# Altium PCB raijel_sim_v1.PcbDoc (part 1 of 2)
Units mm, origin at the board's own origin, x right, y up, seen from the top; angles counter-clockwise.
Board outline 140.34 x 99.31 mm, 2 copper layers (Top Layer, Bottom Layer); 152 components, 86 nets, 419 pads, 382 vias.
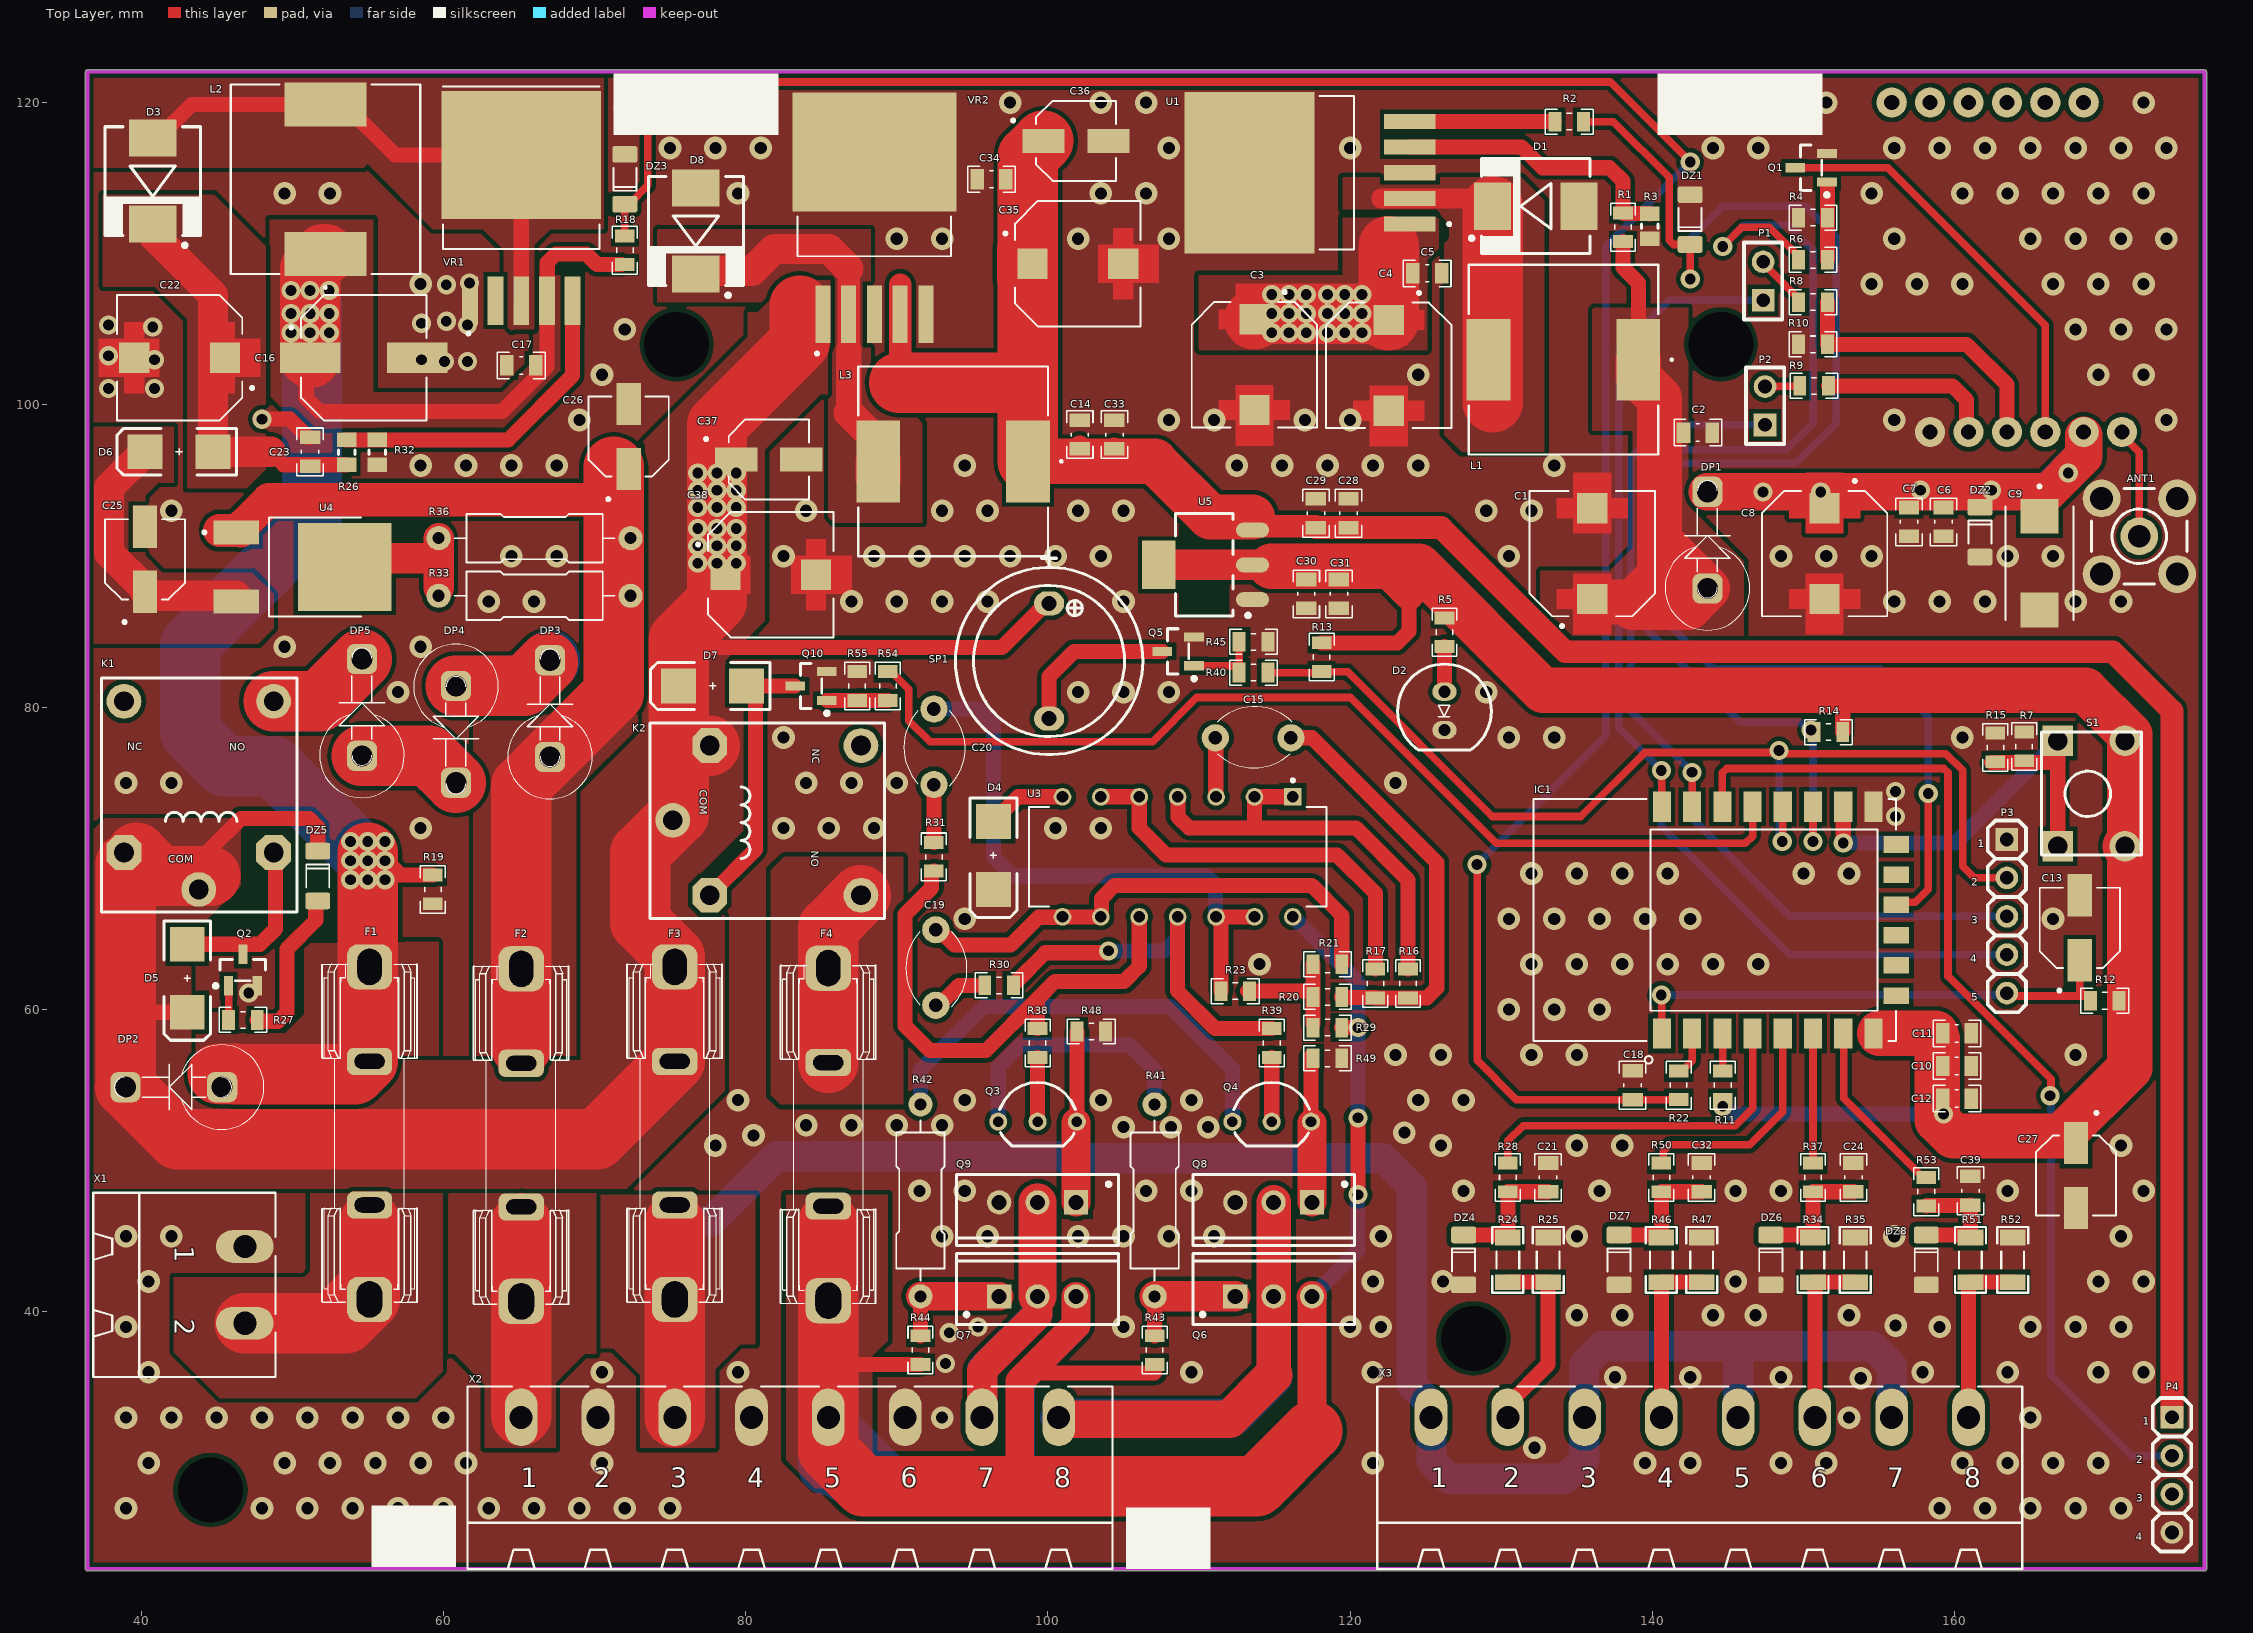
[diagram p0: Top Layer view]
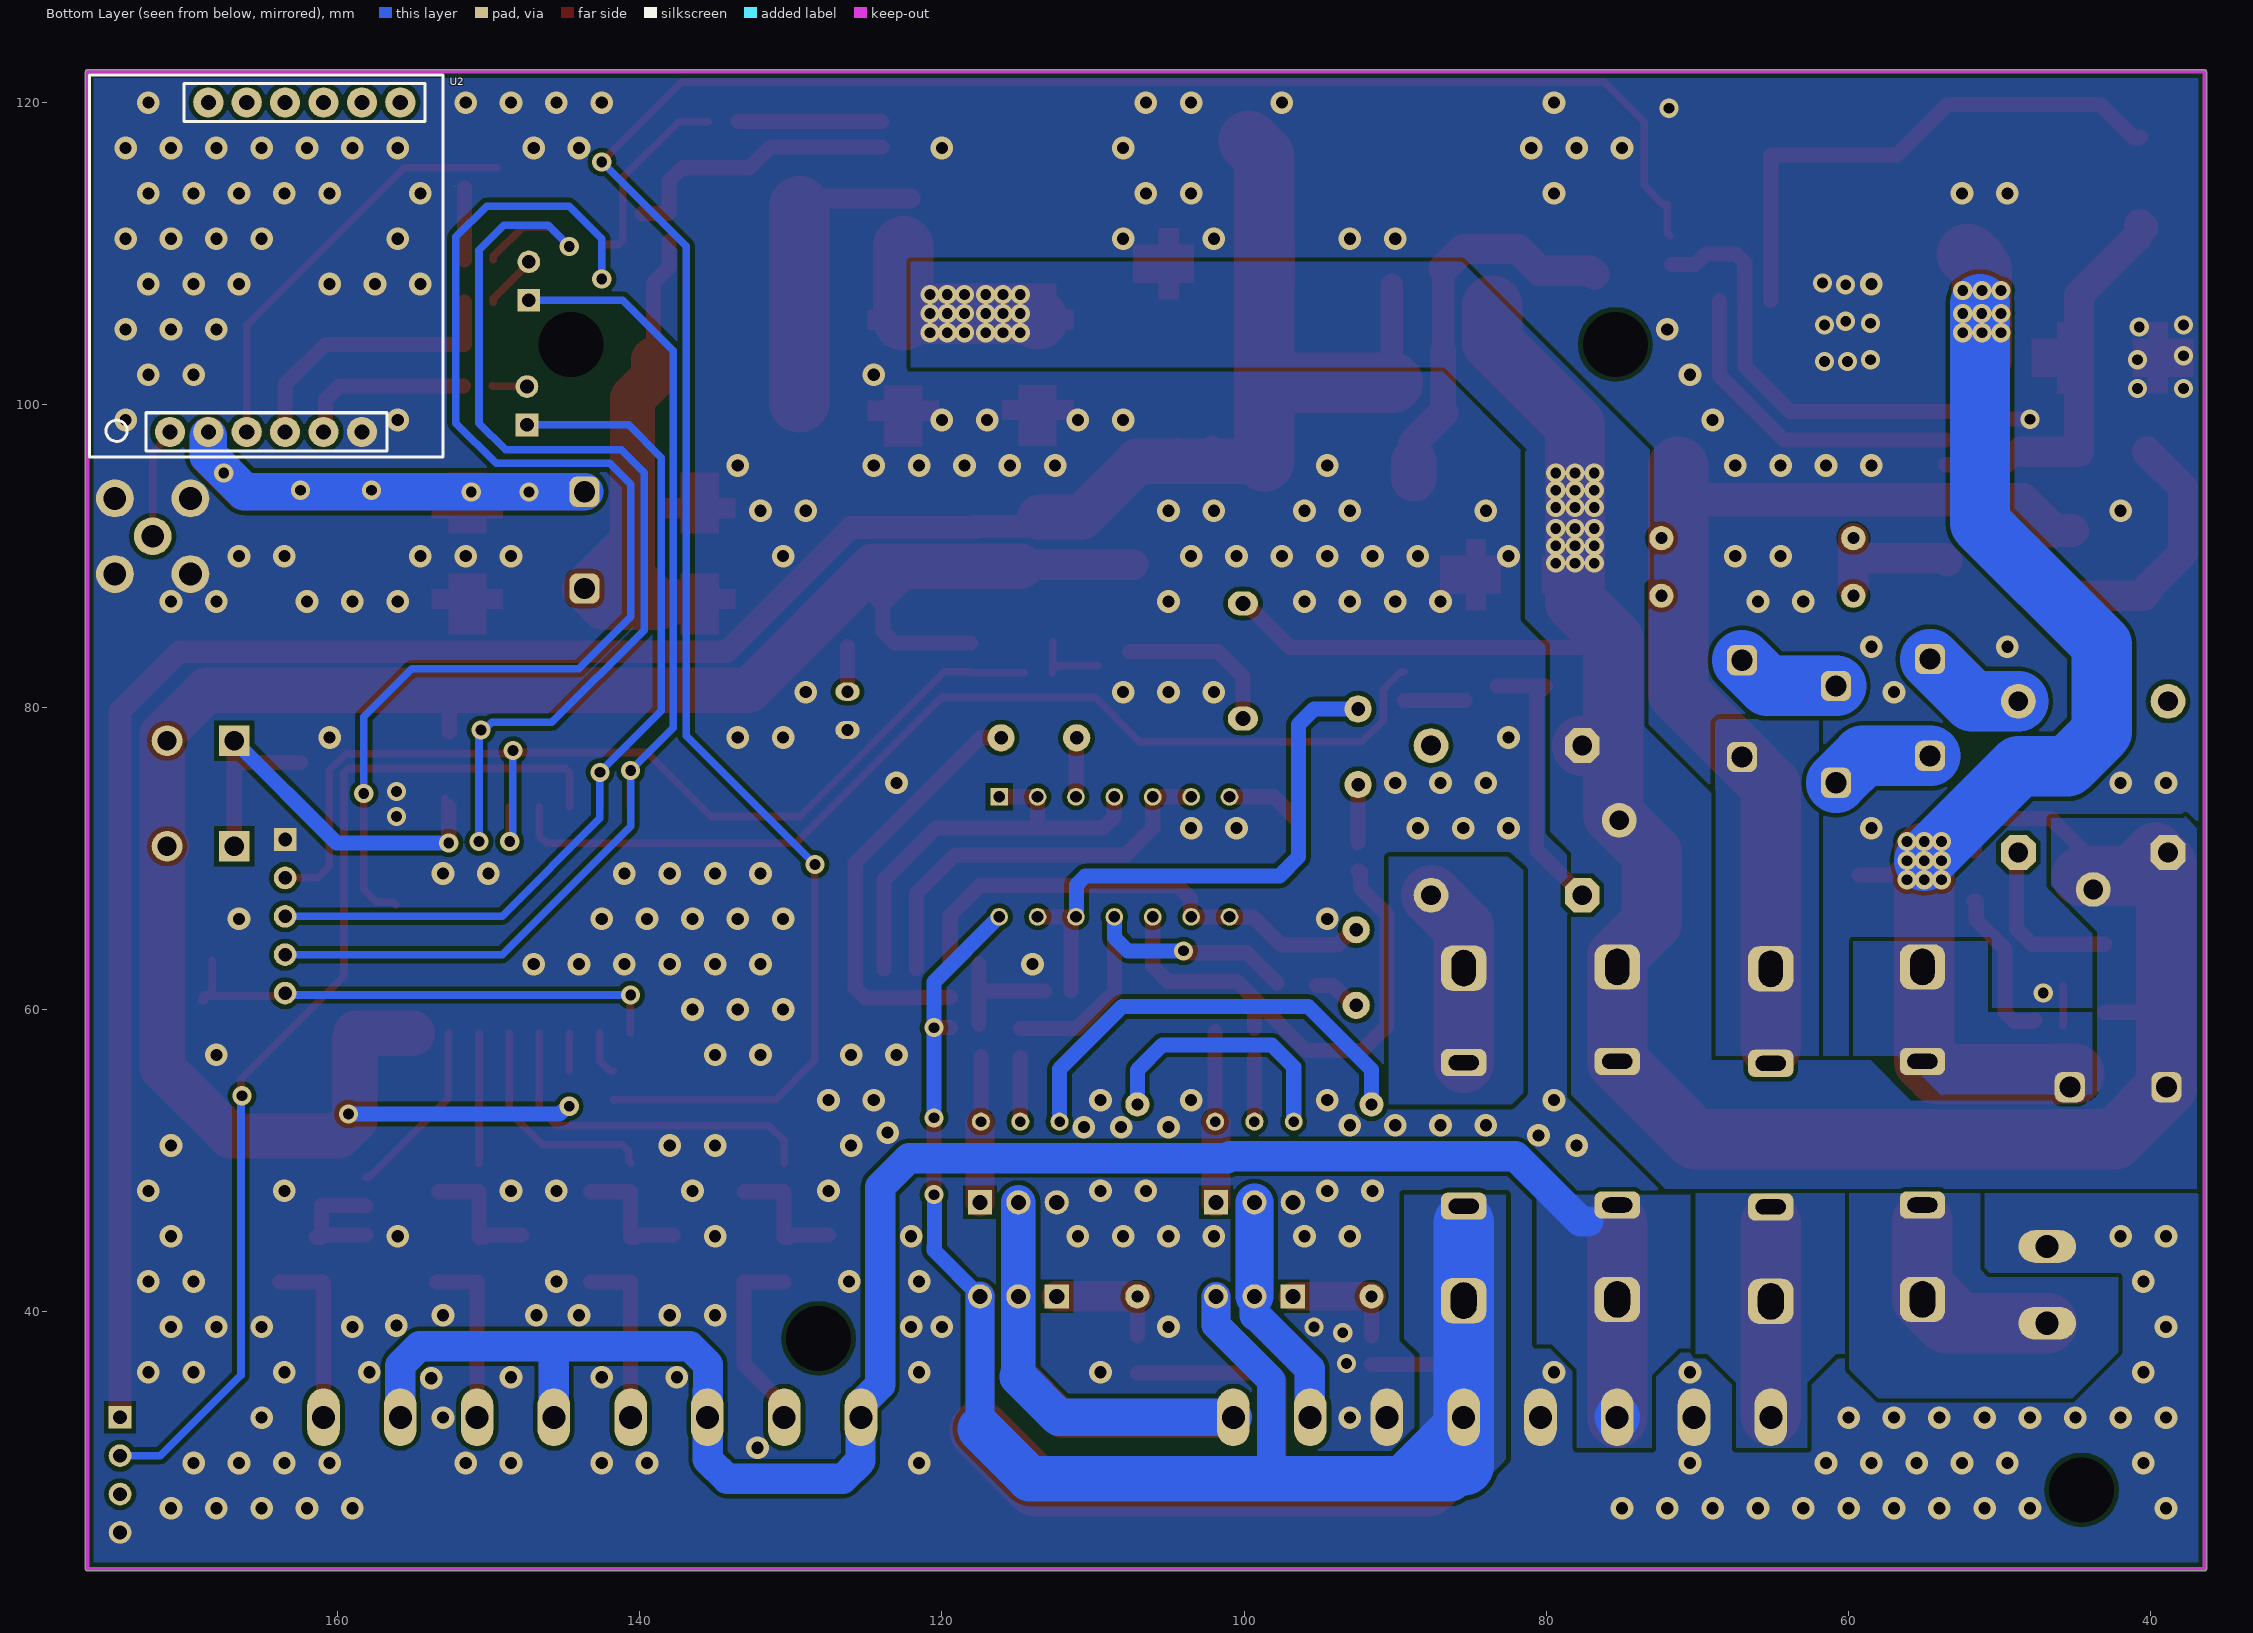
[diagram p1: Bottom Layer view, seen from below]

## Layer stack, top to bottom
Top Solder: solder mask 0.0102, Solder Resist, Dk 3.5
Top Layer: signal copper 0.0356
Dielectric 1: dielectric 0.32, FR-4, Dk 4.8
Bottom Layer: signal copper 0.0356
Bottom Solder: solder mask 0.0102, Solder Resist, Dk 3.5

## Board outline
36.322,22.987 ccw(c36.449,22.987) 36.449,22.86 176.53,22.86 ccw(c176.53,22.987) 176.657,22.987 176.657,122.047 ccw(c176.53,122.047) 176.53,122.174 36.449,122.174 ccw(c36.449,122.047) 36.322,122.047

## Design rules (kind name [scope] priority, off if disabled: settings)
Clearance [All] p1: gap=0.3 ignorepadtopadclearanceinfootprint=FALSE except(0: Arc-Hole Track-Hole SMDPad-Hole THPad-Hole Via-Hole Fill-Hole Poly-Hole Region-Hole Text-Hole; 0.254: Text-Text)
PlaneConnect [All] p1: planeconnectstyle=Direct reliefexpansion=0.508 reliefentries=4 reliefconductorwidth=0.254 reliefairgap=0.254
PolygonConnect [All] p1: connectstyle=Direct reliefconductorwidth=0.254 reliefentries=4 polygonreliefangle="90 Angle" airgapwidth=0.254
RoutingVias [All] p1: holewidth=0.711 width=1.27 viastyle="Through Hole" minholewidth=0.711 minwidth=1.27 maxholewidth=0.711 maxwidth=1.27
SolderMaskExpansion [All] p1: expansion=0.102 istentingtop=FALSE
Width [All] p1: maxlimit=10 minlimit=0.254 preferedwidth=0.5 minimp=50.000000 maximp=50.000000 favimp=50.000000
29 further rules are at their usual default settings.

## Components (designator, comment, footprint, x,y, rotation, side; value= is the part's Value field where it differs from the comment)
ANT1 "Antenna" SMA 172.212,91.313 r0 top
C1 "330uf-35v" CAP_EEEFP1V221AV 136.017,90.17 r90 top
C2 "100nF" CAP0805 143.002,98.171 r180 top
C3 "330uf-35v" CAP_EEEFP1V221AV 113.665,102.664 r270 top
C4 "100uf-35v" CAP_EEEFP1V221AV 122.555,102.616 r270 top
C5 "1uF" CAP0805 125.095,108.712 r180 top value=100nF
C6 "10pF" CAP0805 159.258,92.267 r90 top value=100nF
C7 "33pF" CAP0805 156.972,92.267 r90 top value=100nF
C8 "330uf-35v" CAP_EEEFP1V221AV 151.384,90.17 r270 top
C9 "470uF" CAPPM7343X310N 165.608,89.535 r270 top
C10 "22uF" CAP0805 160.147,56.261 r180 top value=100nF
C11 "10uF" CAP0805 160.147,58.42 r180 top value=100nF
C12 "100nF" CAP0805 160.147,54.102 r180 top
C13 "10uf-25v" CAP_EEEFN1H220UR 168.275,65.405 r90 top
C14 "100nF" CAP0805 102.108,98.044 r270 top
C15 "100nF" "CAP Ceramic 5mm" 111.078,77.978 r0 top
C16 "100uf-50v" CAP_EEEFN1H101L 54.737,103.124 r0 top
C17 "1uF" CAP0805 65.151,102.616 r0 top value=100nF
C18 "1uF" CAP0805 138.684,54.991 r270 top value=100nF
C19 "220pF" "CAP Ceramic 5mm" 92.583,65.278 r270 top
C20 "220pF" "CAP Ceramic 5mm" 92.456,79.883 r270 top
C21 "1uF" CAP0805 133.096,48.895 r270 top value=100nF
C22 "220uf-35v" CAP_EEEFP1V221AV 42.545,103.124 r180 top
C23 "100nF" CAP0805 51.181,96.901 r270 top
C24 "1uF" CAP0805 153.289,48.895 r270 top value=100nF
C25 "22uf-50v" CAP_EEEFN1H220UR 40.259,89.789 r90 top
C26 "22uf-50v" CAP_EEEFN1H220UR 72.263,97.917 r90 top
C27 "22uf-50v" CAP_EEEFN1H220UR 168.021,49.013 r270 top
C28 "4.7uF" CAP0805 119.888,92.837 r270 top value=100nF
C29 "1uF" CAP0805 117.729,92.837 r270 top value=100nF
C30 "4.7uF" CAP0805 117.094,87.503 r90 top value=100nF
C31 "1uF" CAP0805 119.253,87.503 r90 top value=100nF
C32 "1uF" CAP0805 143.256,48.895 r270 top value=100nF
C33 "4.7uF" CAP0805 104.394,98.044 r270 top value=100nF
C34 "100nF" CAP0805 96.266,114.935 r0 top
C35 "220uf-35v" CAP_EEEFP1V221AV 101.981,109.347 r0 top
C36 "22uf-50v" CAP_EEEFN1H220UR 101.854,117.475 r0 top
C37 "22uf-50v" CAP_EEEFN1H220UR 81.534,96.393 r0 top
C38 "100uf-35v" CAP_EEEFP1V221AV 81.661,88.773 r0 top
C39 "1uF" CAP0805 161.036,48.006 r270 top value=100nF
D1 "1n5822" DO-214AB(SMC) 132.278,113.157 r180 top
D2 "LED 5MM" LED5MM_GRN 126.238,79.756 r270 top
D3 "1n5822" DO-214AB(SMC) 40.767,114.808 r270 top
D4 "SM4007" "DIODE SMD" 96.393,72.445 r270 top
D5 "SM4007" "DIODE SMD" 43.053,64.317 r270 top
D6 "SM4007" "DIODE SMD" 44.759,96.901 r180 top
D7 "SM4007" "DIODE SMD" 80.065,81.407 r180 top
D8 "1n5822" DO-214AB(SMC) 76.708,111.506 r270 top
DP1 "SR560" "DO-201AD - vertical" 143.637,91.059 r90 top
DP2 "SR560" "DO-201AD - vertical" 42.164,54.864 r180 top
DP3 "6A10" "DO-201AD - vertical" 67.056,79.908 r90 top
DP4 "6A10" "DO-201AD - vertical" 60.833,78.207 r270 top
DP5 "6A10" "DO-201AD - vertical" 54.61,79.985 r90 top
DZ1 "3.3" "SOD80, LL-34" 142.494,112.268 r90 top value=12V
DZ2 "5.5" "SOD80, LL-34" 161.671,91.59 r270 top value=12V
DZ3 "3.3" "SOD80, LL-34" 72.009,114.935 r90 top value=12V
DZ4 "3.3" "SOD80, LL-34" 127.508,43.434 r270 top value=12V
DZ5 "6.5" "SOD80, LL-34" 51.689,68.834 r270 top value=12V
DZ6 "3.3" "SOD80, LL-34" 147.828,43.434 r270 top value=12V
DZ7 "3.3" "SOD80, LL-34" 137.795,43.434 r270 top value=12V
DZ8 "3.3" "SOD80, LL-34" 158.115,43.434 r270 top value=12V
F1 "F=1.0 A" "Fuse 5x20 With holder pin" 55.118,51.816 r0 top
F2 "F=1.0 A" "Fuse 5x20 With holder pin" 65.151,51.689 r0 top
F3 "F=1.0 A" "Fuse 5x20 With holder pin" 75.311,51.816 r0 top
F4 "F=1.0 A" "Fuse 5x20 With holder pin" 85.471,51.74 r0 top
IC1 "ESP8266 ESP-12-F" ESP8266-12E 211.249,-21.329 r90 top
K1 "Relay" "Relay 15.40x12.10x13.10" 43.818,67.941 r0 top
K2 "Relay" "Relay 15.40x12.10x13.10" 75.18,72.514 r270 top
L1 "100uh or 47uh" IND_CDRH127/LDNP-470MC_SUM 134.112,102.997 r180 top
L2 "47uh or 33uh" IND_CDRH127/LDNP-470MC_SUM 52.197,114.935 r90 top
L3 "33uh or 47uh" IND_CDRH127/LDNP-470MC_SUM 93.726,96.266 r180 top
P1 "FHDR_1X02" FHDR1X02-254P 147.32,106.934 r90 top
P2 "FHDR_1X02" FHDR1X02-254P 147.447,98.679 r90 top
P3 "MHDR_1X05" MHDR1X05-254P 163.449,71.247 r270 top
P4 "RX22" MHDR1X04-254P 174.371,33.02 r270 top
Q1 "BC847C" SOT23_N 150.495,115.697 r180 top
Q2 "BC847C" SOT23_N 46.736,62.611 r90 top
Q3 "BC547" "TO-92 BENT" 99.314,52.578 r0 top
Q4 "BC547" "TO-92 BENT" 114.808,52.578 r0 top
Q5 "BC847C" SOT23_N 108.619,83.693 r180 top
Q6 "TIP42C" "TO-220 AB" 114.935,41.021 r0 top
Q7 "TIP42C" "TO-220 AB" 99.314,41.021 r0 top
Q8 "TIP41C" "TO-220 AB" 114.935,47.244 r180 top
Q9 "TIP41C" "TO-220 AB" 99.314,47.244 r180 top
Q10 "BC847C" SOT23_N 84.328,81.407 r180 top
R1 "2.2k" RES0805 138.049,111.76 r90 top
R2 "1K" RES0805 134.493,118.745 r180 top
R3 "1K" RES0805_(2012X06L) 139.827,110.998 r90 top
R4 "47K" RES0805 150.622,112.395 r180 top
R5 "330" RES0805 126.238,84.963 r270 top
R6 "10K" RES0805 150.622,109.601 r180 top
R7 "1K" RES0805 164.592,77.409 r90 top
R8 "1K" RES0805 150.622,106.807 r0 top
R9 "1K" RES0805 150.691,101.266 r0 top
R10 "5.6K" RES0805 150.622,104.013 r180 top
R11 "10K" RES0805 144.653,54.991 r270 top
R12 "10K" RES0805 169.926,60.579 r0 top
R13 "10K" RES0805 118.11,83.312 r90 top
R14 "10K" RES0805 151.638,78.359 r0 top
R15 "1K" RES0805 162.687,77.343 r90 top
R16 "2.2M" RES0805 123.825,61.722 r270 top
R17 "2.2M" RES0805 121.666,61.722 r270 top
R18 "10K" RES0805 72.009,110.236 r270 top
R19 "10K" RES0805 59.309,67.945 r270 top
R20 "2.2M" RES0805 118.491,60.833 r180 top
R21 "1M" RES0805 118.491,62.992 r0 top
R22 "1K" RES0805 141.732,54.991 r270 top
R23 "1M" RES0805 112.395,61.214 r180 top
R24 "4.7K" RES1206 130.429,43.434 r270 top
R25 "2.2K" RES1206 133.096,43.434 r90 top
R26 "12K" RES0805_(2012X06L) 53.597,97.693 r270 top
R27 "10K" RES0805 46.736,59.309 r0 top
R28 "4.7K" RES0805 130.429,48.895 r270 top
R29 "2.7M" RES0805 118.491,58.801 r180 top
R30 "10K" RES0805 96.774,61.595 r0 top
R31 "10K" RES0805 92.456,70.104 r270 top
R32 "1K" RES0805_(2012X06L) 55.629,96.044 r90 top
R33 "15" "Axial 0_5W 5_0mm" 66.04,87.376 r180 top
R34 "4.7K" RES1206 150.622,43.434 r270 top
R35 "2.2K" RES1206 153.416,43.434 r90 top
R36 "15" "Axial 0_5W 5_0mm" 66.04,91.186 r180 top
R37 "4.7K" RES0805 150.622,48.895 r270 top
R38 "47K" RES0805 99.314,57.785 r270 top
R39 "47K" RES0805 114.808,57.785 r270 top
R40 "6K" RES0805 113.604,82.296 r0 top
R41 "100" "Axial 0_5W 5_0mm" 107.061,47.371 r270 top
R42 "100" "Axial 0_5W 5_0mm" 91.567,47.371 r270 top
R43 "1K" RES0805 107.061,37.465 r270 top
R44 "1K" RES0805 91.567,37.465 r90 top
R45 "47K" RES0805 113.604,84.328 r180 top
R46 "4.7K" RES1206 140.589,43.434 r270 top
R47 "2.2K" RES1206 143.256,43.434 r90 top
R48 "1K" RES0805 102.87,58.547 r180 top
R49 "1K" RES0805 118.491,56.769 r0 top
R50 "4.7K" RES0805 140.589,48.895 r270 top
R51 "4.7K" RES1206 161.036,43.434 r270 top
R52 "2.2K" RES1206 163.83,43.434 r90 top
R53 "4.7K" RES0805 158.115,47.945 r270 top
R54 "6K" RES0805 89.408,81.407 r90 top
R55 "47K" RES0805 87.376,81.407 r270 top
S1 "Switch PB" "Switch - Push to On" 169.037,74.295 r90 top
SP1 "BUZZER 12V" "BUZZER 7.62mm DC" 100.076,83.058 r270 top
U1 "LM2596S-ADJ/NOPB" VREG_LM2596S-ADJ/NOPB 113.352,115.365 r180 top
U2 "SIM800L" SIM800L 163.449,109.115 r90 bottom
U3 "CD4011BE" DIP794W45P254L1969H508Q14 108.585,70.104 r270 top
U4 "LM317MDTG" VREG_LM317MDTG 53.467,89.281 r0 top
U5 "AMS1117-3V3" SOT223 110.338,89.422 r180 top
VR1 "XL6009" DPAK170P1435X465-6N 65.151,113.03 r90 top
VR2 "LM2596S-5.0" TO170P1524X483-6N 88.519,112.395 r90 top
X1 "CON_Phoenix_MSTBA_02" CON_MSTBA02 46.863,41.783 r270 top
X2 "CON_Phoenix_MSTBA_08" CON_MSTBA08 82.931,33.02 r0 top
X3 "CON_Phoenix_MSTBA_08" CON_MSTBA08 143.129,33.02 r0 top

## Footprints (in the part's own frame and the unit in brackets; to place one, negate y for a bottom-side part, rotate by r counter-clockwise, add the part's x,y. Pads: shape width x height; smd on the part's side, far side on the other; paste and mask are expansions set on the pad)
"Axial 0_5W 5_0mm" [mm] "Designer Abbas Basereh"
  round 1.6 hole 0.8: 1(6.35,0) 2(-6.35,0)
  silkscreen extent -5.3,-1.6 5.3,1.6, body extent -6.7,-1.65 6.7,1.65, height 4.02
"BUZZER 7.62mm DC" [mm] "BUZZER 12mm DIA , 7.62mm pitch DESIGNER ABBAS BASEREH"
  oval 1.6x2 hole 1: 1(-3.81,0) 2(3.81,0)
  silkscreen extent -7.3,-6.2 6.2,6.2, body extent -6,-6 6,6, height 9.5
CAP0805 [mm] "Chip Capacitor, 2-Leads, Body 2/00x1/25mm, IPC Medium Density DESIGNER:ABBAS BASEREH"
  rect 0.9x1.35 smd: 1(-0.95,0) 2(0.95,0)
  silkscreen extent -1.58,-0.87 1.58,0.87, body extent -1.02,-0.65 1.02,0.65, height 0.5
"CAP Ceramic 5mm" [mm] "Bipolar Capacitor-Design:Ali Hafizi"
  round 1.8 hole 0.9: 1(0,0) 2(5,0)
  silkscreen extent 0.13,-1.98 5.08,2.06
CAP_EEEFN1H101L [mm]
  rect 4x2 smd: 1(-3.55,0) 2(3.55,0)
  silkscreen extent -4.9,-4.15 4.15,4.15, body extent -4.85,-4.15 4.85,4.15, height 10.2
CAP_EEEFN1H220UR [mm]
  rect 2.8x1.6 smd: 1(-2.15,0) 2(2.15,0)
  silkscreen extent -4.25,-2.65 2.65,2.65, body extent -3,-2.65 3,2.65, height 5.8
CAP_EEEFP1V221AV [mm]
  rect 2x2 smd paste-2 mask+0: 1(-3,0) 2(3,0)
  Top Layer region: 3.65,1.25 5.35,1.25 5.35,-1.25 3.65,-1.25 3.65,-2.35 2.35,-2.35 2.35,-1.25 1.35,-1.25 1.35,1.25 2.35,1.25 2.35,2.35 3.65,2.35
  Top Layer region: -2.35,1.25 -1.35,1.25 -1.35,-1.25 -2.35,-1.25 -2.35,-2.35 -3.65,-2.35 -3.65,-1.25 -5.35,-1.25 -5.35,1.25 -3.65,1.25 -3.65,2.35 -2.35,2.35
  silkscreen extent -4.9,-4.15 4.15,4.15, body extent -4.85,-4.15 4.85,4.15, height 10.5
CAPPM7343X310N [mm]
  rect 2.31x2.52 smd: 1(-3.1,0) 2(3.1,0)
  silkscreen extent -5.18,-2.25 3.75,2.25
CON_MSTBA02 [mil]
  oval 85x150 hole 60: 1(-100,0) 2(100,0)
  silkscreen extent -240,-395 240,80, body extent -240,-392 239,80, height 340
CON_MSTBA08 [mil]
  oval 85x150 hole 60: 1(-700,0) 2(-500,0) 3(-300,0) 4(-100,0) 5(100,0) 6(300,0) 7(500,0) 8(700,0)
  silkscreen extent -840,-395 840,80, body extent -840,-392 839,80, height 340
"DIODE SMD" [mm]
  rect 2.3x2.3 smd: 1(0,0) 2(4.5,0)
  silkscreen extent -1.55,-1.55 6.35,1.55, body extent -0.28,-1.32 4.82,1.28, height 2.31
DIP794W45P254L1969H508Q14 [mm]
  rect 1.17x1.17 hole 0.77: 1(-3.97,7.62)
  round 1.17 hole 0.77: 2(-3.97,5.08) 3(-3.97,2.54) 4(-3.97,0) 5(-3.97,-2.54) 6(-3.97,-5.08) 7(-3.97,-7.62) 8(3.97,-7.62) 9(3.97,-5.08) 10(3.97,-2.54) 11(3.97,0) 12(3.97,2.54) 13(3.97,5.08) 14(3.97,7.62)
  silkscreen extent -5.15,-9.84 3.3,9.84
"DO-201AD - vertical" [mm] "Designer Abbas Basereh"
  rrect50% 2x2 hole 1.4: 1(-3.2,0) 2(3.2,0)
  silkscreen extent -5.96,-2.8 3.93,2.8, body extent -6.04,-2.8 3.84,2.8, height 15.69
DO-214AB(SMC) [mm] "Molded Diode, 2-Leads, Body 6/85x5/90mm, IPC Medium Density DESIGNER ABBAS BASEREH"
  rect 2.45x3.15 smd: 1(-2.85,0) 2(2.85,0)
  silkscreen extent -3.6,-3.2 4.37,3.15, body extent -3.77,-3.11 3.77,3.11, height 2.62
DPAK170P1435X465-6N [mm]
  rect 3.21x1.05 smd: 1(-6.13,3.4) 2(-6.13,1.7) 3(-6.13,0) 4(-6.13,-1.7) 5(-6.13,-3.4)
  rect 8.46x10.53 smd paste-6: 6(3.5,0)
  silkscreen extent -8.4,-5.18 8.05,5.18
ESP8266-12E [mm]
  rect 2x1.2 smd: 1(79.749,70.627) 2(79.749,68.627) 3(79.749,66.627) 4(79.749,64.627) 5(79.749,62.627) 6(79.749,60.627) 7(79.749,58.627) 8(79.749,56.627) 15(94.749,56.627) 16(94.749,58.627) 17(94.749,60.627) 18(94.749,62.627) 19(94.749,64.627) 20(94.749,66.627) 21(94.749,68.627) 22(94.749,70.627)
  rect 1.1x1.7 smd: 9(82.249,55.127) 10(84.249,55.127) 11(86.249,55.127) 12(88.249,55.127) 13(90.249,55.127) 14(92.249,55.127)
  silkscreen extent 77.75,55.13 95.25,79.13, body extent 79.25,55.18 95.25,79.18, height 3
FHDR1X02-254P [mm] "Female Header 1X02 with 2.54 mm Pitch"
  rect 1.5x1.5 hole 0.9: 1(0,0)
  round 1.5 hole 0.9: 2(2.54,0)
  silkscreen extent -1.27,-1.27 3.81,1.27
"Fuse 5x20 With holder pin" [mm] "Dsigner : Abbas Basereh"
  rrect50% 3x1.8 hole 1 slot 2 at 0 deg: 1(0,4.75) 2(0,-4.75)
  rrect50% 3x3 hole 1.6 slot 2.4 at 90 deg: 1(0,11)
  rrect50% 3x3 hole 1.7 slot 2.4 at 90 deg: 2(0,-11)
  silkscreen extent -3.18,-11.19 3.17,11.19, body extent -3.17,-11.69 3.17,11.69, height 8.63
IND_CDRH127/LDNP-470MC_SUM [mil]
  rect 114x213 smd: 1(-195,0) 2(195,0)
  silkscreen extent -285,-247 247,247
LED5MM_GRN [mm] "LED 5MM THROUGH HOLE GREEN-Designer Abbas Basereh"
  oval 1.2x1.6 hole 0.8: 1(-1.27,0) 2(1.27,0)
  silkscreen extent -3.1,-3.1 2.6,3.1, body extent -3,-3 2.5,3, height 9.14
MHDR1X04-254P [mm] "Male Header 1X04 with 2.54 mm Pitch"
  rect 1.5x1.5 hole 0.9: 1(0,0)
  round 1.5 hole 0.9: 2(2.54,0) 3(5.08,0) 4(7.62,0)
  silkscreen extent -1.27,-1.27 8.89,1.27, body extent -1.27,-1.27 8.89,1.27, height 8.43
MHDR1X05-254P [mm] "Male Header 1X05 with 2.54 mm Pitch"
  rect 1.5x1.5 hole 0.9: 1(0,0)
  round 1.5 hole 0.9: 2(2.54,0) 3(5.08,0) 4(7.62,0) 5(10.16,0)
  silkscreen extent -1.27,-1.27 11.43,1.27, body extent -1.27,-1.27 11.43,1.27, height 8.43
"Relay 15.40x12.10x13.10" [mm]
  round 2.3 hole 1.3: 1(0,0) 2(-4.95,12.45) 3(4.95,12.45)
  oct 2.3x2.3 hole 1.3: 4(-4.95,2.45) 5(4.95,2.45)
  silkscreen extent -6.45,-1.5 6.5,14, body extent -6.05,-1.3 6.05,14, height 16.1
RES0805 [mm] "Chip Resistor, 2-Leads, Body 2/00x1/25mm, IPC Medium Density DESIGNER:ABBAS BASEREH"
  rect 0.85x1.3 smd: 1(-0.95,0) 2(0.95,0)
  silkscreen extent -1.58,-0.82 1.58,0.82, body extent -1.02,-0.65 1.02,0.65, height 0.5
RES0805_(2012X06L) [mm] "Chip Resistor, 2-Leads, Body 2.0x1.3mm, IPC High Density _ (0.100 W)"
  rect 0.95x1.3 smd: 1(0,0) 2(1.65,0)
  silkscreen extent 0.67,-0.55 0.97,0.55, body extent -0.19,-0.63 1.84,0.64, height 0.6
RES1206 [mm] "Chip Resistor, 2-Leads, Body 3/20x1/60mm, IPC Medium Density DESIGNER:ABBAS BASEREH"
  rect 1.05x1.7 smd: 1(-1.475,0) 2(1.475,0)
  silkscreen extent -2.17,-1.02 2.17,1.02, body extent -1.65,-0.85 1.65,0.85, height 0.94
SIM800L [mm]
  round 2 hole 1: 1(-10.9,7.62) 2(-10.9,5.08) 3(-10.9,2.54) 4(-10.9,0) 5(-10.9,-2.54) 6(-10.9,-5.08) 7(10.9,-7.62) 8(10.9,-5.08) 9(10.9,-2.54) 10(10.9,0) 11(10.9,2.54) 12(10.9,5.08)
  silkscreen extent -12.55,-10.45 12.73,12.95, body extent -13.57,-10.32 13.5,12.81, height 9.2
SMA [mm]
  round 2.5 hole 1.5: 1(0,0) 2(-2.5,-2.5) 2(-2.5,2.5) 2(2.5,-2.5) 2(2.5,2.5)
  silkscreen extent -3.15,-3.15 3.15,3.15, body extent -3.25,-3.25 3.25,3.25, height 10.2
"SOD80, LL-34" [mm] "Diode, MiniMELF"
  round 0.5 on Mech15: 0(0,0)
  rrect25% 1.1x1.65 smd: 1(1.65,0) 2(-1.65,0)
  silkscreen extent -0.76,-0.76 0.76,0.76, body extent -1.88,-0.8 1.82,0.8, height 1.6
SOT23_N [mm] "SOT23, 3-Leads, Body 2.9x1.3mm, Pitch 0.95mm, Lead Span 2.3mm, IPC Medium Density"
  rect 1.3x0.6 smd: 1(-1.05,0.95) 2(-1.05,-0.95) 3(1.05,0)
  silkscreen extent -1.18,-1.5 0.7,1.92, body extent -1.27,-1.5 1.27,1.5, height 1.1
SOT223 [mm] "SOT223, 4-Leads, Body 6.5x3.5mm, Pitch 2.30mm-Designer Abbas Basereh"
  oval 2.2x1 smd: 1(-3.2,2.3) 2(-3.2,0) 3(-3.2,-2.3)
  rect 2.2x3.2 smd: 4(3,0)
  Top Layer pour cut-out: -1.7,3.556 1.7,3.556 1.7,-3.556 -1.7,-3.556
  silkscreen extent -3.03,-3.4 1.9,3.47, body extent -3.5,-3.25 3.5,3.25, height 1.7
"Switch - Push to On" [mil]
  rect 80x80 hole 50: 1(-137.5,87.5) 1(137.5,87.5)
  round 80 hole 50: 2(-137.5,-87.5) 2(137.5,-87.5)
  silkscreen extent -160,-130 160,130, body extent -155,-121 157,123, height 205
TO170P1524X483-6N [mm]
  rect 3.79x0.99 smd: 1(-6.4,3.4) 2(-6.4,1.7) 3(-6.4,0) 4(-6.4,-1.7) 5(-6.4,-3.4)
  rect 7.88x10.84 smd paste-6: 6(4.35,0)
  silkscreen extent -9.1,-5.08 0.09,5.08
"TO-92 BENT" [mm] "DESIGNER :ABBAS BASEREH"
  round 1.2 hole 0.7: 1(-2.6,0) 2(0,0) 3(2.6,0)
  silkscreen extent -2.51,-1.6 2.51,2.6, body extent -2.79,-1.59 2.79,2.61, height 10
"TO-220 AB" [mm] "Epoxy meets UL94, V0-Design:Abbas Basereh"
  rect 1.6x1.6 hole 1: 1(-2.54,0)
  round 1.6 hole 1: 2(0,0) 3(2.54,0)
  silkscreen extent -5.35,-1.85 5.35,2.85, body extent -5.08,-1.65 5.08,2.92, height 18.54
VREG_LM317MDTG [mm]
  rect 3x1.6 smd: 1(-7.18,2.285) 3(-7.18,-2.285)
  rect 6.2x5.8 smd paste-4: 2(0,0)
  silkscreen extent -9.38,-3.27 1.08,3.27, body extent -4.95,-3.25 4.95,3.25, height 2.39
VREG_LM2596S-ADJ/NOPB [mm]
  rect 3.4x1 smd paste-3 mask+0: 1(-10.6,3.4) 2(-10.6,1.7) 3(-10.6,0) 4(-10.6,-1.7) 5(-10.6,-3.4)
  rect 8.6x10.7 smd paste-6 mask+0: 6(0,0)
  silkscreen extent -13.3,-5.08 -4.62,5.08

## Part data
ANT1: library part "ANT SMA", Designer="Ali Hafizi"
C1 C3 C4 C8 C22 C35 C38: library part EEEFP1V221AV, "CAP ALUM 220UF 20% 35V SMD", Package="RADIAL-2 Panasonic", Availability="Not in stock", Check_prices=https://www.snapeda.com/parts/EEE-FP1V221AV/Panasonic/view-part/4900934/?ref=eda, MF="Panasonic Electronic Components", MP=EEE-FP1V221AV, Price=None, SnapEDA_Link=https://www.snapeda.com/parts/EEE-FP1V221AV/Panasonic/view-part/4900934/?ref=snap
C2 C5 C6 C7 C10 C11 C12 C14 C17 C18 C21 C23 C24 C28 C29 C30 C31 C32 C33 C34 C39: library part "CAP SMD PACKAGE", "TOTAL CAPACITOR SMD PACK", Data=2017-3-10, Desc.="CAP SMD TOTAL PACKAGES", Designer="Abbas Basereh"
C9: library part TAJD476K025RNJ, "TC 47uF 25V 10% Case D", Package=None, Availability=Unavailable, MP=TAJD476K025RNJ, Price=None
C13 C25 C26 C27 C36 C37: library part EEEFN1H220UR, "CAP ALUM 22UF 20% 50V SMD", Package="RADIAL-2 Panasonic", Availability="In Stock", Check_prices=https://www.snapeda.com/parts/EEE-FN1H220UR/Panasonic/view-part/6178088/?ref=eda, MF="Panasonic Electronic Components", MP=EEE-FN1H220UR, Price=None, Purchase-URL=https://pricing.snapeda.com/search/part/EEE-FN1H220UR/?ref=eda, SnapEDA_Link=https://www.snapeda.com/parts/EEE-FN1H220UR/Panasonic/view-part/6178088/?ref=snap
C15 C19 C20: library part "CAP CERAMIC TOTAL SIZE", "CAP Ceramic Total", Designer="Ali Hafizi"
C16: library part EEEFN1H101L, "CAP ALUM 100UF 20% 50V SMD", Package="RADIAL-2 Panasonic", Availability="In Stock", Check_prices=https://www.snapeda.com/parts/EEE-FN1H101L/Panasonic/view-part/6178263/?ref=eda, MF="Panasonic Electronic Components", MP=EEE-FN1H101L, Price=None, Purchase-URL=https://pricing.snapeda.com/search/part/EEE-FN1H101L/?ref=eda, SnapEDA_Link=https://www.snapeda.com/parts/EEE-FN1H101L/Panasonic/view-part/6178263/?ref=snap
D1 D3 D8: library part "1N5822 SMD", "Schottky Rectifiers", Manufacturer="ON Semiconductor/Fairchild", Data=16-12-2016, Designer="Abbas Basereh", Link=https://www.aliexpress.com/item/Free-shipping-100pcs-1n5822-sma-smd-do-214ac-Schottky-diode-ss34/32337482329.html?spm=2114.01010208.3.1.zLZDsP&ws_ab_test=searchweb0_0,searchweb201602_4_10065_10068_10084_10083_10080_10082_10081_10060_10061_10062_10056_10055_10054_10059_10099_10078_10079_427_10073_10103_10102_10096_10052_10050_10051,searchweb201603_4&btsid=6e50dc92-ac69-45bc-a19e-209af19ce602, Part. No=SS34
D2: "Light Emitting Diode", Data=16-12-2016, Designer="Abbas Basereh"
D4 D5 D6 D7: library part "Diode SMD Package", "Diode SMD Pakage"
DP1 DP2 DP3 DP4 DP5: library part "1N5408 3A 1000V", "General Semiconductor. Revision 3A 1000V Silicon Rectifier", Data=16-12-2016, Designer="Abbas Basereh", Part. No=1N5408
DZ1 DZ2 DZ3 DZ4 DZ5 DZ6 DZ7 DZ8: library part "ZENER GENERAL DIODE", "DIODE ZENER GENERAL", ComponentLink1Description="Manufacturer Link", ComponentLink2Description=Datasheet, PackageDescription="DIODE GEN ZENER", PackageReference="DO 35", PackageVersion=2017-1-12, Published=2017-1-12, Publisher="Abbas Basereh"
F1 F2 F3 F4: library part "Fuse 5x20 with holdeer pins", "Fuses 5x20", Data=28-12-2016, Desc.="fuse with holder pins 5x20", Designer="Abbas Basereh"
IC1: library part "ESP8266 ESP-12-E", "ESP8266 ESP-12-E"
K1 K2: library part "RELAY General", "Relay_SPDT POWER NEEDLE", Company=E.P.I.L, Design_Date=2011/10/31, Designer="Ali Hafizi"
L1 L2 L3: library part CDRH127/LDNP-470MC, "47ÂµH Shielded Inductor 3.25A 78mOhm Max Nonstandard", Package="Nonstandard Sumida", Check_prices=https://www.snapeda.com/parts/CDRH127/LDNP-470MC/Sumida%20America%20Components%20Inc./view-part/547921/?ref=eda, Digi-Key_Part_Number=308-1339-1-ND, MF="Sumida America", MP=CDRH127/LDNP-470MC, Purchase-URL=https://pricing.snapeda.com/search/part/CDRH127/LDNP-470MC/?ref=eda, SnapEDA_Link=https://www.snapeda.com/parts/CDRH127/LDNP-470MC/Sumida%20America%20Components%20Inc./view-part/547921/?ref=snap
P1 P2: "Female Header 1X02"
P3: "Male Header 1X05"
P4: library part MHDR_1X04, "Male Header 1X04"
Q1 Q2 Q3 Q4 Q5 Q10: "NPN General-purpose Transistor"
  Q1 Q2 Q5 Q10: ComponentLink1Description="Manufacturer Link", ComponentLink1URL=http://www.semiconductors.philips.com/, ComponentLink2Description=Datasheet, ComponentLink2URL=http://www.semiconductors.philips.com/acrobat/datasheets/BC846_BC847_BC848_5.pdf, DatasheetVersion=4-Feb-2002, LatestRevisionDate=12-Dec-2006, LatestRevisionNote="IPC-7351 Footprint Added.", PackageDescription="3-Pin SOT-23 Package 0.95 mm Pitch, 2.3 mm Lead Span", PackageReference=SOT23, PackageVersion=2017-1-6, Published=2017-1-6, Publisher="Abbas Basereh"
  Q3 Q4: Data=27-12-2016, Desc.="Plastic Medium-Power. Silicon NPN Transistors", Designer="Abbas Basereh"
Q6 Q7: "PNP  power transistor", Manufacturer=STMicroelectronics, Desc.="Complementary power transistors", Designer="Abbas Basereh", Link=https://www.aliexpress.com/item/, Part. No=TIP42C
Q8 Q9: "NPN  power transistor", Manufacturer=STMicroelectronics, Desc.="Complementary power transistors", Designer="Abbas Basereh", Link=https://www.aliexpress.com/item/, Part. No=TIP41C
R1 R2 R3 R4 R5 R6 R7 R8 R9 R10 R11 R12 R13 R14 R15 R16 R17 R18 R19 R20 R21 R22 R23 R24 R25 R26 R27 R28 R29 R30 R31 R32 R34 R35 R37 R38 R39 R40 R43 R44 R45 R46 R47 R48 R49 R50 R51 R52 R53 R54 R55: library part "RES SMD PACKAGE", "TOTAL SMD RESISTOR PACK", Data=2017-3-10, Desc.="RES SMD PAKAGES", Designer="Abbas Basereh"
R33 R36 R41 R42: library part "RES Axial 0.5W", "RES Axial 0.5W", Data=4-1-2017, Desc.="RES Axial 0.5W", Designer="Abbas Basereh"
S1: "Push Button Switch"
SP1: library part "PIEZO BUZZER", "PIEZO BUZZER ACTIVE", Comment_1="SPEAKER AND BEEP", ComponentLink2Description=Reference, Design Date=1395/11/14, Designer="Abbas Basereh", Mounting Technology=THD, PackageDescription=THD, Pin Count=2, Publisher="Abbas Basereh", Status=Unreleased
U1: "SIMPLE SWITCHER&reg; 4.5V to 40V, 3A Low Component Count Step-Down Regulator 5-DDPAK/TO-263 -40 to 125", Package="TO-263-5 Texas Instruments", Availability=Unavailable, DigiKey-Purchase-URL=https://snapeda.com/shop?store=DigiKey&id=276908, MF="Texas Instruments", Mouser-Purchase-URL=https://snapeda.com/shop?store=Mouser&id=276908, MP=LM2596S-ADJ/NOPB, Price=None, SnapEDA_Link=https://www.snapeda.com/parts/LM2596S-ADJ/NOPB/Texas%20Instruments/view-part/276908/?ref=snap, Texas_Instruments-Purchase-URL=https://snapeda.com/shop?store=Texas+Instruments&id=276908
U3 VR2: Package=None, Availability=Unavailable, Price=None
  U3: MP=CD4011BE
  VR2: MP=LM2596S-5.0
U4: "Linear Voltage Regulator IC Positive Adjustable 1 Output 500mA DPAK", Package="DPAK-3 ON Semiconductor", Check_prices=https://www.snapeda.com/parts/LM317MDTG/Onsemi/view-part/?ref=eda, Digi-Key_Part_Number=LM317MDTGOS-ND, MF="ON Semiconductor", MP=LM317MDTG, Purchase-URL=https://pricing.snapeda.com/search/part/LM317MDTG/?ref=eda, SnapEDA_Link=https://www.snapeda.com/parts/LM317MDTG/Onsemi/view-part/?ref=snap
U5: library part AMS1117-x.x, "x.x Volt, 800mA Low-Dropout Linear Regulator, 4-pin SOT-223", Data=16-12-2016, Designer="Ali Hafizi"
VR1: "The XL6009 regulator is a wide input range, current mode, DC/DC converter which is capable of generating either positive or negative output voltages.", Package=None, Availability=Unavailable, MP=XL6009, Price=None
X1 X2 X3: Manufacturer="PHOENIX CONTACT", Max Current="12 A", Voltage="320 V", Category=Connector, Company="SJ Libraries", ComponentLink1Description=Datasheet, ComponentLink2Description=Reference, Connector type="PCB Terminal Block", Designer="Eng. Saeid Jorablo", HelpURL=http://s3.picofile.com/file/7443264187/Coming_Soon_logo.gif, Mounting Technology=Through-Hole, Publisher="SJ UnLimited", Revision 1="2012/10/1 : Adding Model", Status=Unreleased, Update=2012/10/1
  X1: Pin Count=2, Positions=2
  X2 X3: Pin Count=8, Positions=8
U2: Publisher=3DFootprint.ir

## Free pads (board coordinates)
  round 0 hole 4.3: 1(44.586,28.213) 1(75.438,104.013) 1(128.152,38.246) 1(144.526,104.013)

## Via types
v1: diameter 1.5, hole 0.8, Top Layer to Bottom Layer, tented both sides, 281 vias
v2: diameter 1.27, hole 0.711, Top Layer to Bottom Layer, tented both sides, 101 vias

## Nets (pads, with @x,y where several pads share a name; then routed paths per layer and width w, separated by ;. In a path a pad name is that pad's centre, name@x,y a point inside that pad or via, vN(x,y) a via of type N, cw(c..) or ccw(c..) an arc to the next point about the centre after c; other vN are vias at no path point)
+3.3V: C10.2 C11.2 C12.2 C27.1 C30.2 C31.2 IC1.8 R5.1 R11.2 R12.2 R13.2 R14.2 S1.2 U5.2 U5.4 | length 144.7
  Top Layer w1: R13.2@118.11,84.262 123.124,84.262 123.888,85.026 123.888,87.439 ; 152.527,81.115 152.588,81.054 R14.2@152.588,78.359
  Top Layer w2: U5.4@107.338,89.422 U5.2@113.538,89.422 114.681,89.422 ; 121.991,89.337 123.888,87.439
  Top Layer w3: 114.766,89.337 121.991,89.337 124.535,89.337 132.757,81.115 152.527,81.115 168.656,81.115 171.577,78.194 S1.2@171.577,71.12 ; IC1.8@155.022,58.42 158.496,58.42 ; C11.2@158.75,58.42 158.496,58.42 ; S1.2@171.26,70.802 S1.2@171.577,71.12 ; 158.496,58.42 158.847,58.069 158.847,52.681 159.901,51.627 167.07,51.627 171.577,56.134 S1.2@171.577,71.12
  Bottom Layer w1: v2(144.653,53.594) 144.78,53.594 145.288,53.086 v2(159.258,53.086)
+5V: C14.2 C28.2 C29.2 C33.2 C34.2 C35.1 C36.1 L3.1 P4.1 U5.3 VR2.4 | length 167.4
  Top Layer w1.5: 90.17,101.473 90.219,101.522 90.219,107.95 ; 102.108,96.266 C14.2@102.108,97.221 ; C33.2@104.394,97.094 105.222,96.266 ; U5.3@113.888,91.972 117.705,91.972 C29.2@117.729,91.948 ; C29.2@117.729,91.887 C28.2@119.888,91.887 126.017,91.887 134.239,83.665 170.462,83.665 174.371,79.756 P4.1@174.371,33.02
  Top Layer w3: L3.1@98.679,96.266 102.108,96.266 105.222,96.266 107.061,96.266 110.744,92.583 113.538,92.583
  Top Layer w4: 90.17,101.473 98.679,101.473 ; L3.1@98.679,96.266 98.679,101.473 ; C36.1@99.704,117.475 98.679,116.45 98.679,101.473
+12V: C3.1 C4.1 C5.2 C37.1 C38.1 D5.2 D7.2 DP2.2 DZ5.2 F3.1 K1.1 K1.4 K2.1 K2.4 SP1.1 U1.1 VR2.1 | length 173.4
  Top Layer w1: 38.989,59.563 39.243,59.817 D5.2@43.053,59.817 ; 44.577,68.834 44.577,70.612 46.609,72.644 51.103,72.644 51.689,72.058 DZ5.2@51.689,70.484 ; 75.565,84.455 76.073,83.947 96.955,83.947 99.876,86.868 SP1.1@100.076,86.868
  Top Layer w4: K1.4@38.989,69.646 38.989,59.563 38.989,54.889 DP2.2@38.964,54.864 42.41,51.418 70.163,51.418 F3.1@75.311,56.566 F3.1@75.311,62.816 75.311,63.5 73.025,65.786 73.025,70.359 K2.1@75.18,72.514 75.565,72.899 75.565,77.597 ; K1.4@39.701,70.358 41.225,68.834 44.577,68.834 ; K2.4@77.63,77.464 75.698,77.464 75.565,77.597 ; 83.566,106.553 83.566,104.14 78.105,98.679 78.105,96.393 78.105,86.995 75.565,84.455 D7.2@75.565,81.407 75.565,77.597 ; C3.1@113.665,105.664 114.046,106.045 122.126,106.045 C4.1@122.555,105.616 122.555,110.49
  other v2: 76.835,89.535 78.105,89.535 79.375,89.535 76.835,90.678 78.105,90.678 79.375,90.678 76.835,91.821 78.105,91.821 79.375,91.821 76.835,93.218 78.105,93.218 79.375,93.218 76.835,94.361 78.105,94.361 79.375,94.361 76.835,95.504 78.105,95.504 79.375,95.504 114.808,104.775 115.951,104.775 117.094,104.775 118.491,104.775 119.634,104.775 120.777,104.775 114.808,106.045 115.951,106.045 117.094,106.045 118.491,106.045 119.634,106.045 120.777,106.045 114.808,107.315 115.951,107.315 117.094,107.315 118.491,107.315 119.634,107.315 120.777,107.315
ADC: IC1.2 R22.1 | length 3
  Top Layer w0.5: R22.1@141.732,55.941 141.957,55.941 142.622,56.606 IC1.2@142.622,58.42
BATTRY: C26.1 DP3.1 F2.1 R33.2 R36.2 U4.1 | length 66.1
  Top Layer w2: U4.1@46.587,91.566 46.787,91.766 U4.1@46.787,92.066
  Top Layer w2.2: U4.1@45.212,91.694 U4.1@46.159,91.694 ; U4.1@46.787,92.066 48.447,93.726 69.771,93.726
  Top Layer w4: 65.151,57.531 F2.1@65.151,62.689 65.151,74.803 DP3.1@67.056,76.708 71.265,80.917 71.265,91.186 71.265,95.903
BUZZER: IC1.18 P3.2 R13.1 R40.2 | length 70.3
  Top Layer w0.5: R40.2@114.554,82.296 R13.1@118.11,82.296 ; R13.1@118.11,82.362 119.822,82.362 129.413,72.771 135.255,72.771 139.488,77.004 148.252,77.004 v2(148.379,77.131) ; v2@148.294,77.004 148.379,76.92 159.419,76.92 160.516,75.822 160.516,69.481 161.29,68.707 P3.2@163.449,68.707 ; v2(148.59,71.12) 148.606,71.136 148.606,73.404 IC1.18@148.622,73.42
  Bottom Layer w0.5: v2(148.379,77.131) 148.379,71.331 v2(148.59,71.12)
EN: IC1.3 R11.1 | length 2.5
  Top Layer w0.5: IC1.3@144.622,58.42 144.638,58.405 144.638,55.956 R11.1@144.653,55.941
GND: ANT1.2 C1.2 C2.1 C3.2 C4.2 C5.1 C6.1 C7.1 C8.2 C9.2 C10.1 C11.1 C12.1 C13.2 C14.1 C16.2 C17.1 C18.1 C21.1 C22.2 C23.1 C24.1 C25.2 C26.2 C27.2 C28.1 C29.1 C30.1 C31.1 C32.1 C33.1 C34.1 C35.2 C36.2 C37.2 C38.2 C39.1 D1.1 D2.2 D4.2 D8.1 DZ1.1 DZ2.1 DZ3.1 DZ4.1 DZ6.1 DZ7.1 DZ8.1 IC1.15 P3.1 P4.4 Q1.2 Q2.2 Q5.2 Q8.3 Q9.3 Q10.2 R3.1 R4.2 R7.2 R10.2 R15.2 R19.2 R25.2 R32.1 R35.2 R45.1 R47.2 R48.1 R49.2 R52.2 R55.1 U1.3 U1.6 U2.6 U5.1 VR1.1 VR2.3 VR2.5 VR2.6 X1.1 X2.2 X2.4 X2.6 | length 3.7
  Top Layer w1: v2(48.006,99.06) 49.847,99.06 51.056,97.851 C23.1@51.181,97.851
  other v1: 39,27 48,27 51,27 54,27 57,27 60,27 63,27 66,27 69,27 72,27 75,27 159,27 162,27 165,27 168,27 171,27 40.5,30 49.5,30 52.5,30 55.5,30 58.5,30 61.5,30 70.5,30 121.5,30 139.5,30 142.5,30 148.5,30 151.5,30 160.5,30 163.5,30 166.5,30 169.5,30 132.196,31.006 39,33 42,33 45,33 48,33 51,33 54,33 57,33 60,33 93,33 153,33 165,33 153.779,35.6 137.527,35.669 142.5,35.669 148.5,35.669 40.5,36 70.5,36 79.5,36 109.5,36 121.5,36 157.879,36 163.5,36 169.5,36 172.5,36 39,39 105,39 120,39 122.029,39 159,39 165,39 168,39 171,39 156.089,39.089 135,39.769 138,39.769 144,39.769 146.823,39.769 153,39.769 40.5,42 121.5,42 126.129,42 145.5,42 169.5,42 172.5,42 39,45 42,45 93,45 96,45 102,45 105,45 108,45 111,45 122.029,45 135,45 156,45 171,45 91.5,48 94.5,48 106.5,48 109.5,48 127.5,48 136.5,48 145.5,48 148.5,48 163.5,48 172.5,48 78,51 126,51 135,51 138,51 171,51 80.522,51.671 123.587,51.856 105,52.215 108.135,52.215 110.598,52.215 84,52.342 87,52.342 90,52.342 93,52.342 79.5,54 94.5,54 103.5,54 109.5,54 124.5,54 127.5,54 123,57 126,57 132,57 135,57 168,57 130.5,60 133.5,60 136.5,60 114,63 132,63 135,63 138,63 141,63 144,63 147,63 94.5,66 130.5,66 133.5,66 136.5,66 139.5,66 142.5,66 166.5,66 132,69 135,69 138,69 141,69 150,69 153,69 58.5,72 82.5,72 85.5,72 88.5,72 100.5,72 103.5,72 39,75 42,75 84,75 87,75 90,75 123,75 82.5,78 130.5,78 133.5,78 160.5,78 57,81 102,81 105,81 108,81 129,81 49.5,84 58.5,84 63,87 66,87 87,87 90,87 93,87 96,87 105,87 156,87 159,87 162,87 168,87 171,87 64.5,90 67.5,90 82.5,90 88.5,90 91.5,90 94.5,90 97.5,90 100.5,90 103.5,90 130.5,90 148.5,90 151.5,90 154.5,90 163.5,90 166.5,90 42,93 84,93 93,93 96,93 102,93 105,93 129,93 132,93 58.5,96 61.5,96 64.5,96 67.5,96 94.5,96 112.5,96 115.5,96 118.5,96 121.5,96 124.5,96 133.5,96 69,99 108,99 111,99 117,99 120,99 156,99 174,99 70.5,102 124.5,102 169.5,102 172.5,102 72,105 168,105 171,105 174,105 58.5,108 154.5,108 157.5,108 160.5,108 166.5,108 169.5,108 172.5,108 90,111 93,111 102,111 108,111 156,111 165,111 168,111 171,111 174,111 49.5,114 52.5,114 79.5,114 103.5,114 106.5,114 154.5,114 160.5,114 163.5,114 166.5,114 169.5,114 172.5,114 75,117 78,117 81,117 108,117 120,117 144,117 147,117 156,117 159,117 162,117 165,117 168,117 171,117 174,117 79.5,120 97.5,120 103.5,120 106.5,120 142.5,120 145.5,120 148.5,120 151.5,120 172.5,120
  other v2: 93.218,36.576 93.472,38.608 95.377,38.989 47.117,61.087 156.083,72.771 156.083,74.422 37.846,101.092 40.894,101.092 60.071,102.87 61.595,102.87 40.894,102.997 58.547,102.997 37.846,103.251 40.767,105.156 37.846,105.283 61.595,105.283 58.547,105.41 60.198,105.537 60.198,107.95 61.722,108.077 71.882,119.634
GPIO1: IC1.22 P1.1 P3.4 | length 72.8
  Top Layer w0.5: v2(140.589,75.819) 140.605,75.803 140.605,73.437 IC1.22@140.622,73.42 ; P3.4@163.449,63.119 P3.4@163.64,63.31
  Bottom Layer w0.5: P1.1@147.18,106.794 P1.1@147.32,106.934 141.097,106.934 137.757,103.594 137.757,78.651 v2(140.589,75.819) 140.589,72.136 149.098,63.627 P3.4@163.449,63.627
GPIO2: IC1.17 R6.2 R14.1 | length 71
  Top Layer w0.5: v2@144.78,110.617 145.923,111.76 147.738,111.76 149.672,109.826 R6.2@149.672,109.601 ; v2(150.622,71.12) IC1.17@150.622,73.42
  Bottom Layer w0.5: v2(144.653,110.49) 146.05,111.887 148.971,111.887 150.622,110.236 150.622,98.806 148.844,97.028 141.224,97.028 139.7,95.504 139.7,85.09 145.796,78.994 149.779,78.994 150.287,78.486 v2(150.495,78.486) 150.622,78.359 v2(150.622,71.12)
GPIO3: IC1.21 P2.1 P3.3 | length 61.1
  Top Layer w0.5: IC1.21@142.622,73.42 v2(142.621,75.692)
  Bottom Layer w0.5: P2.1@147.447,98.679 140.716,98.679 138.557,96.52 138.557,79.756 v2(142.621,75.692) 142.621,72.644 149.098,66.167 P3.3@163.449,66.167